# Altium PCB Wall_Following_Robot_PCB.PcbDoc (part 1 of 2) (continued)
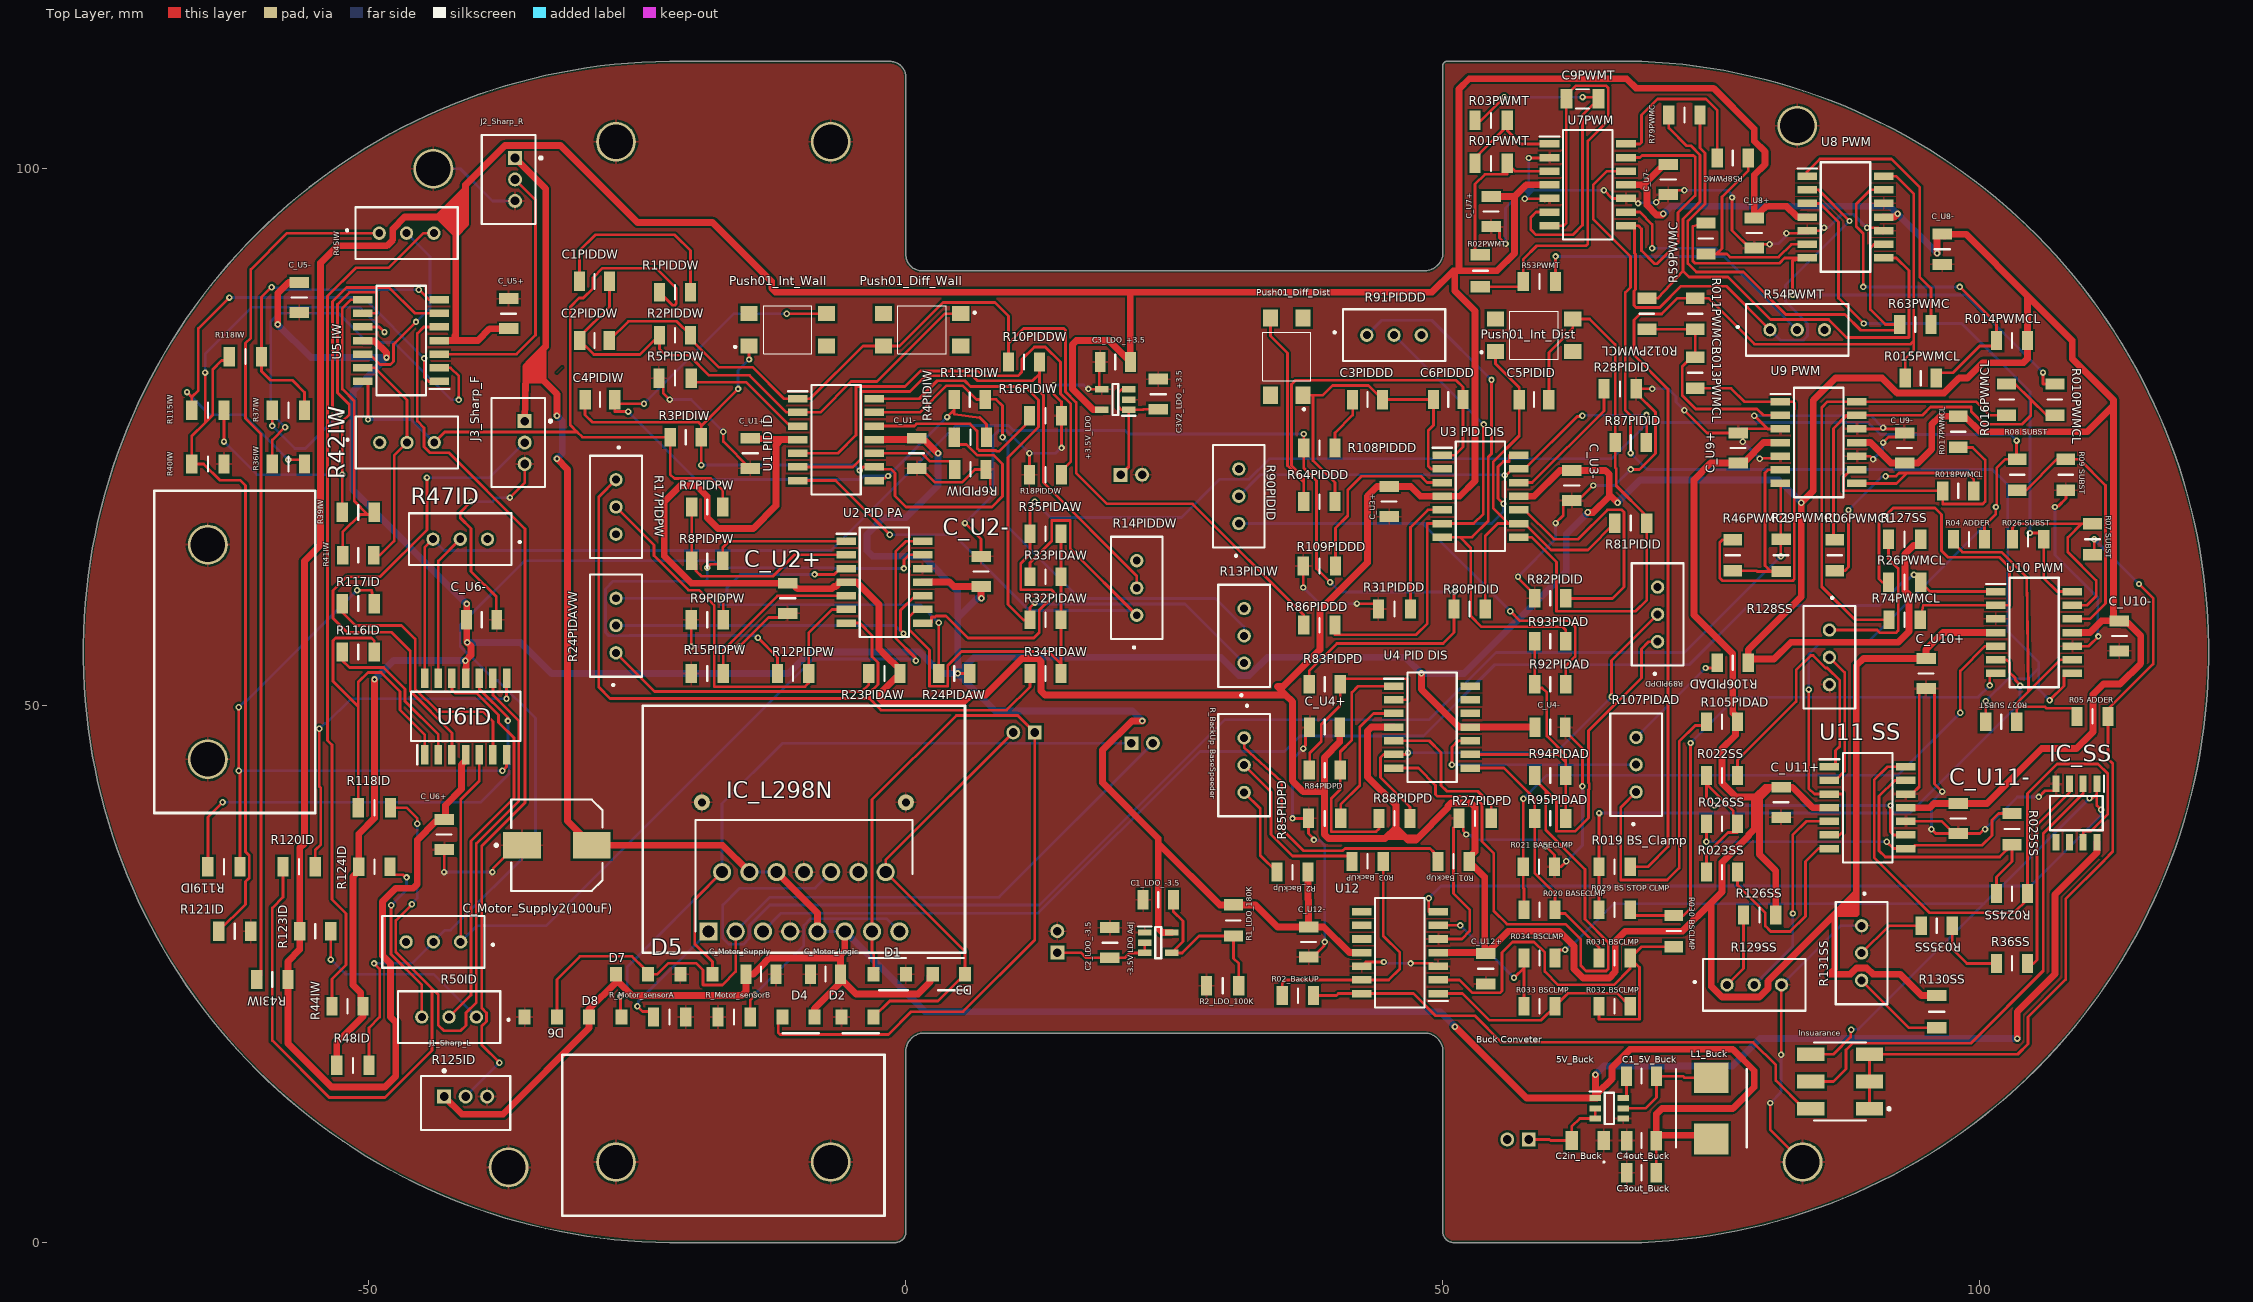
[diagram p0: Top Layer view]
## Footprints (in the part's own frame and the unit in brackets; to place one, negate y for a bottom-side part, rotate by r counter-clockwise, add the part's x,y. Pads: shape width x height; smd on the part's side, far side on the other; paste and mask are expansions set on the pad)
3296W-1 [mm]
  round 1.24 hole 0.74: 1(-2.54,0) 2(0,0) 3(2.54,0)
  silkscreen extent -5.64,-2.41 4.76,2.41, body extent -4.78,-2.48 4.78,2.35, height 11.55
AMPM-95278-101A06LF_V [mm] "SMD, 6-Leads, Body 7.26x4.83mm, Pitch 2.54mm"
  rect 1.27x2.54 smd: 1(-2.54,-2.73) 2(-2.54,2.73) 3(0,-2.73) 4(0,2.73) 5(2.54,-2.73) 6(2.54,2.73)
  silkscreen extent -3.63,-4.68 3.63,2.41, body extent -3.61,-3.64 3.61,3.64, height 9.71
C1206 [mm]
  rect 1.15x1.8 smd: 1(-1.5,0) 2(1.5,0)
  silkscreen extent -1.55,1.95 -1.45,2.05, body extent -1.7,-0.9 1.7,0.9, height 1.8
CAPC3216X94N [mil]
  rect 44x71 smd: 1(-59,0) 2(59,0)
  silkscreen extent -24,-35 24,35, body extent -63,-31 63,31, height 37
CAPC3216X95N [mm]
  rect 1.04x1.78 smd: 1(-1.37,0) 2(1.37,0)
  silkscreen extent 0,-0.7 0,0.7, body extent -1.6,-0.8 1.6,0.8, height 0.95
CAPC3216X110N [mm]
  rect 1.02x1.82 smd: 1(-1.4,0) 2(1.4,0)
  silkscreen extent 0,-0.7 0,0.7, body extent -1.7,-0.9 1.7,0.9, height 0.88
CAPC3216X140N [mm]
  rect 1.02x1.82 smd: 1(-1.4,0) 2(1.4,0)
  silkscreen extent 0,-0.7 0,0.7, body extent -1.6,-0.8 1.6,0.8, height 1.4
CAPC3216X180N [mm]
  rect 1.07x1.82 smd: 1(-1.38,0) 2(1.38,0)
  silkscreen extent 0,-0.7 0,0.7, body extent -1.6,-0.8 1.6,0.8, height 1.8
FP-440054-2-MFG [mm]
  rect 1.3x1.3 hole 0.8 paste-1000 mask+0: 1(1,-0.6)
  round 1.3 hole 0.8 paste-1000 mask+0: 2(-1,-0.6)
  silkscreen extent -3.15,-2.5 3.87,2.5, body extent -3,-2.35 3,2.35, height 6.35
FP-440054-3-MFG [mm]
  rect 1.3x1.3 hole 0.8 paste-1000 mask+0: 1(2,-0.6)
  round 1.3 hole 0.8 paste-1000 mask+0: 2(0,-0.6) 3(-2,-0.6)
  silkscreen extent -4.15,-3.12 4.15,2.5, body extent -4.25,-2.6 4.25,2.6, height 0.25
FP-UWT1H101MNL1GS-MFG [mm]
  rect 3.5x2.5 smd paste+0 mask+0: 1(-3.25,0) 2(3.25,0)
  silkscreen extent -5.77,-4.25 4.25,4.25, body extent -5.25,-4.5 5.25,4.5, height 0.25
INDPM7366X300N [mm]
  rect 2.85x3.2 smd: 1(-2.85,0) 2(2.85,0)
  silkscreen extent -3.65,-3.3 3.65,3.3, body extent -3.65,-3.3 3.65,3.3, height 3
RESC3116X65N [mm]
  rect 1.05x1.75 smd: 1(-1.45,0) 2(1.45,0)
  silkscreen extent 0,-0.68 0,0.67, body extent -1.55,-0.77 1.55,0.77, height 0.65
RESC3216X60N [mm]
  rect 1.05x1.8 smd: 1(-1.5,0) 2(1.5,0)
  silkscreen extent 0,-0.7 0,0.7, body extent -1.37,-0.89 1.83,0.71, height 0.55
SODFL3518X115N [mm]
  rect 1.12x1.37 smd: 1(-1.5,0) 2(1.5,0)
  silkscreen extent -1.91,-1.5 1.7,1.5, body extent -1.75,-0.9 1.75,0.9, height 1.15
SOIC127P600X175-8N [mm]
  rect 1.525x0.65 smd: 1(-2.712,1.905) 2(-2.712,0.635) 3(-2.712,-0.635) 4(-2.712,-1.905) 5(2.712,-1.905) 6(2.712,-0.635) 7(2.712,0.635) 8(2.712,1.905)
  silkscreen extent -3.47,-2.45 1.6,2.58, body extent -3,-2.45 3,2.45, height 1.75
SOIC127P780X200-14N [mm]
  rect 1.825x0.7 smd: 1(-3.562,3.81) 2(-3.562,2.54) 3(-3.562,1.27) 4(-3.562,0) 5(-3.562,-1.27) 6(-3.562,-2.54) 7(-3.562,-3.81) 8(3.562,-3.81) 9(3.562,-2.54) 10(3.562,-1.27) 11(3.562,0) 12(3.562,1.27) 13(3.562,2.54) 14(3.562,3.81)
  silkscreen extent -4.47,-5.1 2.3,5.1, body extent -3.9,-5.1 3.9,5.1, height 2
SOT95P280X100-6N [mm]
  rect 1.05x0.55 smd: 1(-1.3,0.95) 2(-1.3,0) 3(-1.3,-0.95) 4(1.3,-0.95) 5(1.3,0) 6(1.3,0.95)
  silkscreen extent -1.82,-1.45 0.42,1.57, body extent -1.4,-1.45 1.4,1.45, height 1
SOT95P280X145-5N [mm]
  rect 1.25x0.6 smd: 1(-1.25,0.95) 2(-1.25,0) 3(-1.25,-0.95) 4(1.25,-0.95) 5(1.25,0.95)
  silkscreen extent -1.88,-1.45 0.27,1.5, body extent -1.4,-1.45 1.4,1.45, height 1.45
TL3305BF160QG [mm]
  rect 1.6x1.4 smd: 1(-3.6,-1.5) 2(3.6,-1.5) 3(-3.6,1.5) 4(3.6,1.5)
  silkscreen extent -5,-2.25 2.25,2.25
TO127P500X2020X2210-15P [mm]
  rect 1.695x1.695 hole 1.13: 1(0,0)
  round 1.695 hole 1.13: 2(1.27,5.53) 3(2.54,0) 4(3.81,5.53) 5(5.08,0) 6(6.35,5.53) 7(7.62,0) 8(8.89,5.53) 9(10.16,0) 10(11.43,5.53) 11(12.7,0) 12(13.97,5.53) 13(15.24,0) 14(16.51,5.53) 15(17.78,0)
  silkscreen extent -1.21,0 18.99,10.38, body extent -0.91,0.22 18.69,9.31, height 21.35

## Part data
5V_Buck: "Integrated Circuit", Manufacturer_Name="Diodes Inc.", Mouser Part Number=621-AP63205WU-7, Arrow Part Number=AP63205WU-7, Arrow Price/Stock=https://www.arrow.com/en/products/ap63205wu-7/diodes-incorporated?region=europe, Datasheet Link=https://www.diodes.com/assets/Datasheets/AP63200-AP63201-AP63203-AP63205.pdf, Height=1mm, Manufacturer_Part_Number=AP63205WU-7, Mouser Price/Stock=https://www.mouser.co.uk/ProductDetail/Diodes-Incorporated/AP63205WU-7?qs=u16ybLDytRZtkj8PzdWCOw%3D%3D
+3.5V_LDO: "Integrated Circuit", Manufacturer_Name="Texas Instruments", Mouser Part Number=595-TLV70235DBVT, Arrow Part Number=TLV70235DBVT, Arrow Price/Stock=https://www.arrow.com/en/products/tlv70235dbvt/texas-instruments, Datasheet Link=http://www.ti.com/lit/gpn/TLV702, Height=1.45mm, Manufacturer_Part_Number=TLV70235DBVT, Mouser Price/Stock=https://www.mouser.co.uk/ProductDetail/Texas-Instruments/TLV70235DBVT?qs=4whTb%2F0XQMihdsYQMq6%252BQQ%3D%3D
+3.7_Connector_Battery +7.4_Connector_Battery -3.7_Connector_Battery J4_L_Motor J4_R_Motor: library part CMP-03369-000005-1, "CONN HEADER VERT 2POS 2MM", Current Rating=3A, Manufacturer="TE Connectivity", Temperature="-25°C to +85°C", Temperature Range High=+85°C, Temperature Range Low=-25°C, Voltage Rating=250V, Automotive=No, Category=Conn, ComponentLink2Description=Datasheet, ComponentLink2URL=https://www.te.com/usa-en/product-440054-2.datasheet.pdf, Conn Gender=Male, Conn Orientation=Vertical, Contact Material=Tin,Nickel, Device Class L1=Connectors, Device Class L2="Headers and Wire Housings", Device Class L3=unset, Digikey Description="CONN HEADER VERT 2POS 2MM", Footprint Url=https://www.te.com/commerce/DocumentDelivery/DDEController?Action=showdoc&DocId=Customer+Drawing%7F440054%7FF6%7Fpdf%7FEnglish%7FENG_CD_440054_F6.pdf%7F440054-2, Height=6.35mm, Lead Free=Yes, Manufacturer Part Number=440054-2, Mouser Description="Headers & Wire Housings 2.0mm HDR 2pos VERT HPI", Number Of Contacts=2, Number Of Rows=1, Octopart=https://octopart.com/440054-2-te+connectivity-40237927, Package=440054-2, Pitch=2mm, RoHS=TRUE
"-3.5V LDO Adj": "Integrated Circuit", Manufacturer_Name="Analog Devices", Mouser Part Number=700-MAX1735EUK30T, Arrow Part Number=MAX1735EUK30+T, Arrow Price/Stock=https://www.arrow.com/en/products/max1735euk30t/maxim-integrated?region=nac, Datasheet Link=http://componentsearchengine.com/Datasheets/1/MAX1735EUK30+T.pdf, Height=1.45mm, Manufacturer_Part_Number=MAX1735EUK30+T, Mouser Price/Stock=https://www.mouser.co.uk/ProductDetail/Analog-Devices-Maxim-Integrated/MAX1735EUK30%2bT?qs=Jw2w9zrI6w%252BVOLjKm24ehQ%3D%3D
C1_5V_Buck C1PIDDW C3PIDDD C_Motor_Logic C_Motor_Supply C_U1+ C_U1- C_U2+ C_U2- C_U3+ C_U3- C_U4+ C_U4- C_U5+ C_U5- C_U6+ C_U6- C_U7+ C_U7- C_U8+ C_U8- C_U9+ C_U9- C_U10+ C_U10- C_U11+ C_U11- C_U12+ C_U12-: library part C1206C104K5RAC7867, "Capacitor", Manufacturer_Name=KEMET, Mouser Part Number=80-C1206104K5RAC7867, Arrow Part Number=C1206C104K5RAC7867, Arrow Price/Stock=https://www.arrow.com/en/products/c1206c104k5rac7867/kemet-corporation, Datasheet Link=https://content.kemet.com/datasheets/KEM_C1002_X7R_SMD.pdf, Height=1.1mm, Manufacturer_Part_Number=C1206C104K5RAC7867, Mouser Price/Stock=https://www.mouser.co.uk/ProductDetail/KEMET/C1206C104K5RAC7867?qs=r%2FVmNO8Tjq5MvP%2FjoJQjcw%3D%3D, Supplier 1=Mouser, Supplier Part Number 1=80-C1206104K5RAC7867
C1_LDO_-3.5 C2_LDO_-3.5 C3_LDO_+3.5 C3V2_LDO_+3.5: library part C1206C105K4RAC, "Capacitor", Manufacturer_Name=KEMET, Mouser Part Number=80-C1206C105K4RAC, Arrow Part Number=C1206C105K4RAC, Arrow Price/Stock=https://www.arrow.com/en/products/c1206c105k4rac/kemet-corporation, Datasheet Link=https://componentsearchengine.com/Datasheets/1/C1206C105K4RAC.pdf, Height=1.4mm, Manufacturer_Part_Number=C1206C105K4RAC, Mouser Price/Stock=https://www.mouser.co.uk/ProductDetail/KEMET/C1206C105K4RAC?qs=esDHISMOsl1e4qSv4fn%2FRQ%3D%3D
C2in_Buck: library part C1206C106K4PACTU, "Capacitor", Manufacturer_Name=KEMET, Mouser Part Number=80-C1206C106K4P, Arrow Part Number=C1206C106K4PACTU, Arrow Price/Stock=https://www.arrow.com/en/products/c1206c106k4pactu/kemet-corporation?region=nac, Datasheet Link=https://content.kemet.com/datasheets/KEM_C1006_X5R_SMD.pdf, Manufacturer_Part_Number=C1206C106K4PACTU, Mouser Price/Stock=https://www.mouser.co.uk/ProductDetail/KEMET/C1206C106K4PACTU?qs=nz7vn1PXJ%2Feyzlyip0aTxw%3D%3D
C2PIDDW C6PIDDD: library part GRM3195C1H223FA01D, "Capacitor", Manufacturer_Name="Murata Electronics", Mouser Part Number=81-GRM3195C1H223FA1D, Datasheet Link=http://www.murata.com/~/media/webrenewal/support/library/catalog/products/capacitor/mlcc/c02e.pdf, Height=0.95mm, Manufacturer_Part_Number=GRM3195C1H223FA01D, Mouser Price/Stock=https://www.mouser.com/Search/Refine.aspx?Keyword=81-GRM3195C1H223FA1D
C3out_Buck C4out_Buck: library part GCM31CD70J226KE02K, "Capacitor", Manufacturer_Name="Murata Electronics", Mouser Part Number=81-GCM31CD70J226KE2K, Datasheet Link=https://search.murata.co.jp/Ceramy/image/img/A01X/G101/ENG/GCM31CD70J226KE02-02A.pdf, Height=1.8mm, Manufacturer_Part_Number=GCM31CD70J226KE02K, Mouser Price/Stock=https://www.mouser.co.uk/ProductDetail/Murata-Electronics/GCM31CD70J226KE02K?qs=ufv2HEpFn%252BRTHh%2Fhn8dSAQ%3D%3D
C4PIDIW C5PIDID: library part GRM31CR61A107MEA8L, "Capacitor", Manufacturer_Name="Murata Electronics", Mouser Part Number=81-GRM31CR61A107MA8L, Arrow Part Number=GRM31CR61A107MEA8L, Arrow Price/Stock=https://www.arrow.com/en/products/grm31cr61a107mea8l/murata-manufacturing?region=nac, Datasheet Link=http://www.murata.com/~/media/webrenewal/support/library/catalog/products/capacitor/mlcc/c02e.pdf, Height=1.8mm, Manufacturer_Part_Number=GRM31CR61A107MEA8L, Mouser Price/Stock=https://www.mouser.co.uk/ProductDetail/Murata-Electronics/GRM31CR61A107MEA8L?qs=hd1VzrDQEGidurXiDTJOCg%3D%3D
C9PWMT: library part 12061C303JAT2A, "Capacitor", Manufacturer_Name=AVX, Mouser Part Number=581-12061C303JAT2A, Manufacturer_Part_Number=12061C303JAT2A, Mouser Price/Stock=https://www.mouser.co.uk/ProductDetail/AVX/12061C303JAT2A?qs=DFzMtgyOV7fE5zSlsoT6Tg%3D%3D
C_Motor_Supply2(100uF): library part CMP-2000-07373-2, "CAP ALUM 100UF 20% 50V SMD", Capacitance=100uF, Case/Package=Radial, Dielectric Material=Aluminium, Leakage Current=3uA, Max Operating Temperature=105°C, Min Operating Temperature=-55°C, Package Quantity=500, Ripple Current=140mA, Tolerance=20%, Voltage=50V, Construction=Cylindrical, Diameter=8mm, Dissipation Factor=0.14%, Height=10mm, Height - Seated (Max)=0.413inch, Lead Free="Lead Free", Length=10mm, Life (Hours)=1000Hour, Mount="Surface Mount", Number of Pins=2, Packaging="Tape and Reel", Radiation Hardening=No, REACH SVHC="No SVHC", Ripple Current (AC)=140mA, RoHS Compliant=Yes, Series=WT, Termination=SMD/SMT, Voltage Rating=50V, Voltage Rating (DC)=50V
D1 D2 D3 D4 D5 D6 D7 D8: library part 1N5819HW1-7-F, "Schottky Diode", Manufacturer_Name="Diodes Inc.", Mouser Part Number=621-1N5819HW1-7-F, Arrow Part Number=1N5819HW1-7-F, Arrow Price/Stock=https://www.arrow.com/en/products/1n5819hw1-7-f/diodes-incorporated?region=nac, Datasheet Link=https://www.diodes.com/assets/Datasheets/1N5819HW1.pdf, Height=1.15mm, Manufacturer_Part_Number=1N5819HW1-7-F, Mouser Price/Stock=https://www.mouser.co.uk/ProductDetail/Diodes-Incorporated/1N5819HW1-7-F?qs=60RJRzIpcl9ACQG7Zn63jQ%3D%3D
IC_L298N: "Integrated Circuit", Manufacturer_Name=STMicroelectronics, Mouser Part Number=511-L298, Arrow Part Number=L298N, Arrow Price/Stock=https://www.arrow.com/en/products/l298n/stmicroelectronics?region=europe, Datasheet Link=http://www.st.com/web/en/resource/technical/document/datasheet/CD00000240.pdf, Height=5mm, Manufacturer_Part_Number=L298N, Mouser Price/Stock=https://www.mouser.co.uk/ProductDetail/STMicroelectronics/L298N?qs=gr8Zi5OG3Mj6jDtNclcF9Q%3D%3D
IC_SS: "Integrated Circuit", Manufacturer_Name="Analog Devices", Mouser Part Number=700-MAX4544ESA, Arrow Part Number=MAX4544ESA+, Arrow Price/Stock=https://www.arrow.com/en/products/max4544esa/maxim-integrated?region=nac, Datasheet Link=https://pdfserv.maximintegrated.com/en/ds/MAX4541-MAX4544.pdf, Height=1.75mm, Manufacturer_Part_Number=MAX4544ESA+, Mouser Price/Stock=https://www.mouser.co.uk/ProductDetail/Analog-Devices-Maxim-Integrated/MAX4544ESA%2b?qs=1THa7WoU59G%252Brc3WzwgUFA%3D%3D
Insuarance: library part CMP-002-00024-2, "Male Header, Pitch 2.54 mm, 2 x 3 Position, Height 14.4 mm, RoHS, Tape and Reel", Manufacturer=Amphenol, Package Description="Male Header, Pitch 2.54 mm, 2 x 3 Position, Height 14.4 mm", Case/Package=95278-101A06LF, Connector Type=Header, Datasheet URL=http://portal.fciconnect.com/Comergent//fci/drawing/95278.pdf, Datasheet Version="Rev. AC, 03/2016", Gender=Male, Mounting Technology=SM, Package Reference=95278-101A06LF, RoHS Compliant=Unknown
J1_Sharp_L J2_Sharp_R J3_Sharp_F: library part CMP-03369-000008-1, "CONN HEADER VERT 3POS 2MM", Current Rating=3A, Manufacturer="TE Connectivity", Package=0, Temperature="-25°C to +105°C", Temperature Range High=+105°C, Temperature Range Low=-25°C, Voltage Rating=250V, Automotive=No, Category=Conn, ComponentLink2Description=Datasheet, ComponentLink2URL=https://www.te.com/usa-en/product-440054-3.datasheet.pdf, Conn Gender=Male, Conn Orientation=Vertical, Contact Material=Tin,Nickel, Device Class L1=Connectors, Device Class L2="Headers and Wire Housings", Device Class L3=unset, Digikey Description="CONN HEADER VERT 3POS 2MM", Footprint Url=https://www.te.com/commerce/DocumentDelivery/DDEController?Action=showdoc&DocId=Customer+Drawing%7F440054%7FF6%7Fpdf%7FEnglish%7FENG_CD_440054_F6.pdf%7F440054-3, Height=6.35mm, Lead Free=Yes, Manufacturer Part Number=440054-3, Mouser Description="Headers & Wire Housings 3 POS HDR VERT 2.0mm", Number Of Contacts=3, Number Of Rows=1, Octopart=https://octopart.com/440054-3-te+connectivity-40394845, Pitch=2mm, RoHS=TRUE
L1_Buck: "Inductor", Manufacturer_Name=Bourns, Mouser Part Number=652-SRP7028CC-4R7M, Datasheet Link=https://www.bourns.com/docs/Product-Datasheets/SRP7028CC.pdf, Height=3mm, Manufacturer_Part_Number=SRP7028CC-4R7M, Mouser Price/Stock=https://www.mouser.co.uk/ProductDetail/Bourns/SRP7028CC-4R7M?qs=1Kr7Jg1SGW%252BnpjZpZxrorQ%3D%3D
Push01_Diff_Dist Push01_Diff_Wall Push01_Int_Dist Push01_Int_Wall: "Switch", Manufacturer_Name=E-Switch, Mouser Part Number=612-TL3305BF160QG, Datasheet Link=http://spec_sheets.e-switch.com/specs/P010469.pdf, Height=5.25mm, Manufacturer_Part_Number=TL3305BF160QG, Mouser Price/Stock=https://www.mouser.co.uk/ProductDetail/E-Switch/TL3305BF160QG?qs=UrFqKgNWc7SMzrRgAbHJ9w%3D%3D
R01_BackUp R2_BackUp R23PIDAW R24PIDAW R43IW R44IW R105PIDAD R106PIDAD R123ID R124ID: library part CR1206AFX-2003EAS, "Resistor", Manufacturer_Name=Bourns, Mouser Part Number=652-CR1206AFX2003EAS, Datasheet Link=https://componentsearchengine.com/Datasheets/2/CR1206AFX-2003EAS.pdf, Height=0.65mm, Manufacturer_Part_Number=CR1206AFX-2003EAS, Mouser Price/Stock=https://www.mouser.co.uk/ProductDetail/Bourns/CR1206AFX-2003EAS?qs=PzGy0jfpSMsbNqkCSMTFTg%3D%3D
R1_LDO_180K: "Resistor", Manufacturer_Name=YAGEO, Datasheet Link=https://eu.mouser.com/datasheet/2/447/PYu_RT_1_to_0_01_RoHS_L_12-3003070.pdf, Height=0.65mm, Manufacturer_Part_Number=RT1206FRE07180KL
R1PIDDW R02_BackUP R2PIDDW R03_BackUP R3PIDIW "R04 ADDER" "R05 ADDER" R6PIDIW R06PWMCL "R07 SUBST" R7PIDPW "R08 SUBST" R8PIDPW "R09 SUBST" R10PIDDW R010PWMCL R11PIDIW R011PWMCL R12PIDPW R012PWMCL R013PWMCL R014PWMCL R015PWMCL R016PWMCL R017PWMCL R018PWMCL "R019 BS_Clamp" "R020 BASECLMP" "R021 BASECLMP" R022SS R023SS R024SS R025SS "R026 SUBST" R026SS "R027 SUBST" "R029 BS STOP CLMP" "R030 BSCLMP" "R031 BSCLMP" "R032 BSCLMP" R32PIDAW "R033 BSCLMP" R33PIDAW "R034 BSCLMP" R34PIDAW R35PIDAW R035SS R36SS R41IW R46PWMCL R58PWMC R59PWMC R63PWMC R64PIDDD R74PWMCL R79PWMC R80PIDID R82PIDID R83PIDPD R84PIDPD R86PIDDD R87PIDID R88PIDPD R92PIDAD R93PIDAD R94PIDAD R95PIDAD R108PIDDD: library part CRG1206F47K, "Resistor", Manufacturer_Name="TE Connectivity", Mouser Part Number=279-CRG1206F47K, Arrow Part Number=CRG1206F47K, Arrow Price/Stock=https://www.arrow.com/en/products/crg1206f47k/te-connectivity, Datasheet Link=http://www.te.com/commerce/DocumentDelivery/DDEController?Action=showdoc&DocId=Data+Sheet%7F1773204%7FI%7Fpdf%7FEnglish%7FENG_DS_1773204_I.pdf%7F1623404-1, Height=0.65mm, Manufacturer_Part_Number=CRG1206F47K, Mouser Price/Stock=https://www.mouser.co.uk/ProductDetail/TE-Connectivity-Holsworthy/CRG1206F47K?qs=DfH2yQaBz6t2K5BB4WPRgg%3D%3D
R01PWMT R2_LDO_100K R02PWMT R26PWMCL R29PWMCL R48ID R126SS R127SS R130SS: library part CRCW1206100KFKTA, "Resistor", Manufacturer_Name=Vishay, Mouser Part Number=71-CRCW1206-100K, Arrow Part Number=CRCW1206100KFKTA, Arrow Price/Stock=https://www.arrow.com/en/products/crcw1206100kfkta/vishay, Height=0.6mm, Manufacturer_Part_Number=CRCW1206100KFKTA, Mouser Price/Stock=https://www.mouser.co.uk/ProductDetail/Vishay-Dale/CRCW1206100KFKTA?qs=xED1WXS7kRSniHtt1iegfA%3D%3D
R03PWMT R5PIDDW R109PIDDD R_Motor_sensorA R_Motor_sensorB: library part RCA12061K00FKEA, "Resistor", Manufacturer_Name=Vishay, Mouser Part Number=71-RCA12061K00FKEA, Arrow Part Number=RCA12061K00FKEA, Arrow Price/Stock=https://www.arrow.com/en/products/rca12061k00fkea/vishay, Datasheet Link=https://ms.componentsearchengine.com/Datasheets/2/RCA12061K00FKEA.pdf, Height=0.6mm, Manufacturer_Part_Number=RCA12061K00FKEA, Mouser Price/Stock=https://www.mouser.co.uk/ProductDetail/Vishay-Draloric/RCA12061K00FKEA?qs=4%252Ber4tcBTOjJN1hA481lyw%3D%3D
R4PIDIW R81PIDID: library part CRCW12062M00FKEB, "Resistor", Manufacturer_Name=Vishay, Mouser Part Number=71-CRCW12062M00FKEB, Height=0.6mm, Manufacturer_Part_Number=CRCW12062M00FKEB, Mouser Price/Stock=https://www.mouser.co.uk/ProductDetail/Vishay-Dale/CRCW12062M00FKEB?qs=v%252BxIQaJyuQpJ5jQs9a8ZaQ%3D%3D
R9PIDPW R15PIDPW R16PIDIW R18PIDDW R27PIDPD R28PIDID R31PIDDD R36IW R37IW R39IW R40IW R53PWMT R85PIDPD R115IW R116ID R117ID R118ID R118IW R119ID R120ID R121ID: library part CRCW120622K0FKEAC, "Resistor", Manufacturer_Name=Vishay, Mouser Part Number=71-CRCW120622K0FKEAC, Arrow Part Number=CRCW120622K0FKEAC, Arrow Price/Stock=https://www.arrow.com/en/products/crcw120622k0fkeac/vishay, Datasheet Link=http://componentsearchengine.com/Datasheets/1/CRCW120622K0FKEAC.pdf, Height=0.6mm, Manufacturer_Part_Number=CRCW120622K0FKEAC, Mouser Price/Stock=https://www.mouser.co.uk/ProductDetail/Vishay-Dale/CRCW120622K0FKEAC?qs=E3Y5ESvWgWNw2wh8DoOOYQ%3D%3D
R13PIDIW R14PIDDW R17PIDPW R24PIDAVW R42IW R45IW R47ID R50ID R54PWMT R89PIDPD R90PIDID R91PIDDD R107PIDAD R125ID R128SS R129SS R131SS R_BackUp_BaseSpeeder: library part 3296W-1-103LF, "Variable Resistor", Manufacturer_Name=Bourns, Mouser Part Number=652-3296W-1-103LF, Arrow Part Number=3296W-1-103LF, Arrow Price/Stock=https://www.arrow.com/en/products/3296w-1-103lf/bourns?region=nac, Datasheet Link=https://www.bourns.com/pdfs/3296.pdf, Manufacturer_Part_Number=3296W-1-103LF, Mouser Price/Stock=https://www.mouser.co.uk/ProductDetail/Bourns/3296W-1-103LF?qs=CL3xLxiry19Id6AEaxYcng%3D%3D
"U1 PID ID" "U2 PID PA" "U3 PID DIS" "U4 PID DIS" "U5 IW" U6ID U7PWM "U8 PWM" "U9 PWM" "U10 PWM" "U11 SS" U12: "Integrated Circuit", Manufacturer_Name="Texas Instruments", Mouser Part Number=595-TL084CNSR, Arrow Part Number=TL084CNSR, Arrow Price/Stock=https://www.arrow.com/en/products/tl084cnsr/texas-instruments?region=nac, Datasheet Link=http://www.ti.com/lit/gpn/tl084, Height=2mm, Manufacturer_Part_Number=TL084CNSR, Mouser Price/Stock=https://www.mouser.co.uk/ProductDetail/Texas-Instruments/TL084CNSR?qs=AMJt07B76utXhWPN6gQoYQ%3D%3D, Supplier 1=Mouser, Supplier Part Number 1=595-TL084CNSR

## Free pads (board coordinates)
  round 3.7 hole 3.2: 2(-44,100) 3(-37,7) 4(83.5,7.5) 5(83,104) 6(-27,7.5) 8(-7,7.5) 9(-27,102.5) 10(-7,102.5) 11(-65,45) 12(-65,65)
  round 1.5 hole 0.75: 13(0,41) 14(-19,41)

## Via types
v1: diameter 0.6, hole 0.3, Top Layer to Bottom Layer, 191 vias

## Nets (pads, with @x,y where several pads share a name; then routed paths per layer and width w, separated by ;. In a path a pad name is that pad's centre, name@x,y a point inside that pad or via, vN(x,y) a via of type N, cw(c..) or ccw(c..) an arc to the next point about the centre after c; other vN are vias at no path point)
5V: 5V_Buck.1 C3out_Buck.2 C4out_Buck.2 C_Motor_Logic.2 C_Motor_Supply2(100uF).2 C_Motor_Supply.2 D3.1 D4.1 D7.1 D8.1 IC_L298N.4 IC_L298N.6 IC_L298N.9 IC_L298N.11 IC_SS.8 J1_Sharp_L.1 J2_Sharp_R.1 J3_Sharp_F.1 L1_Buck.1 | length 349.8
  Top Layer w0.254: C3out_Buck.2@69.88,6.5 C4out_Buck.2@69.88,9.5 ; 110.905,36.095 110.959,36.095
  Top Layer w0.635: J1_Sharp_L.1@-43,13.6 -41.352,11.952 -37.519,11.952 -29.5,19.971 D8.1@-29.5,21 -29.5,21.731 -27,24.231 ; J2_Sharp_R.1@-36.4,101 -33.543,98.143 -33.543,83.457 -35.205,81.795 ; J3_Sharp_F.1@-35.5,76.5 -35.446,78.499 -35.363,81.575 ; -35.361,81.639 -35.139,81.639 -32.5,79 v1(-32.5,77) ; v1(-32.5,73) -31.5,72 -31.5,39.25 -29.25,37 -17.08,37 IC_L298N.4@-14.58,34.5 ; D7.1@-27,25 -27,24.5 -25.5,23 -15.272,23 -14.9,23.372 C_Motor_Supply.2@-14.9,24.982 ; C_Motor_Supply.2@-14.9,25 C_Motor_Supply.2@-14.9,24.982 ; IC_L298N.6@-12.04,34.5 -8.23,30.69 IC_L298N.9@-8.23,28.97 ; D4.1@-8.5,21 -8.5,21.781 -5.891,24.391 -4.648,23.148 1.148,23.148 2.258,24.258 2.258,24.757 D3.1@2.5,25 ; C_Motor_Logic.2@-6.1,24.6 C_Motor_Logic.2@-6.1,25 -6.1,26.76 -5.69,27.17 IC_L298N.11@-5.69,28.97 ; -6.1,26.5 -12.756,26.5 -13.131,26.126 -13.131,26.078 -14.227,24.982 C_Motor_Supply.2@-14.9,24.982 ; v1(51.127,20.105) 57.782,13.45 5V_Buck.1@64.2,13.45 ; v1(64.208,15.635) 64.208,13.45 5V_Buck.1@64.2,13.45 ; L1_Buck.1@75,9.65 74.65,10 70.097,10 69.88,9.783 C4out_Buck.2@69.88,9.5 69.88,11.982 70.398,12.5 77,12.5 79,14.5 79,16 77,18 67.444,18 65.754,16.311 65.754,15.254 64.407,13.907 64.407,13.492 64.365,13.45 5V_Buck.1@64.2,13.45 ; v1(103.5,19) 103.5,21.5 107,25 107,32.416 110.905,36.321 IC_SS.8@110.905,37.288
  Bottom Layer w0.254: IC_L298N.4@-14.58,34.5 IC_L298N.6@-12.04,34.5 ; IC_L298N.9@-8.23,28.97 IC_L298N.11@-5.69,28.97
  Bottom Layer w0.635: v1(-32.5,73) -32,73.5 -32,76.5 v1(-32.5,77) ; IC_L298N.11@-5.69,28.97 1.78,21.5 49.732,21.5 v1(51.127,20.105) ; v1(64.208,15.635) 65.008,16.435 76.962,16.435 79.528,19 v1(103.5,19)
+3.7_Connector: +3.5V_LDO.1 +3.5V_LDO.3 +3.7_Connector_Battery.1 C3V2_LDO_+3.5.1 | length 12.6
  Top Layer w0.254: +3.7_Connector_Battery.1@20,71.5 20.75,72.25 +3.5V_LDO.1@20.75,77.55 ; +3.5V_LDO.3@20.75,79.45 20.073,79.45 19.783,79.16 19.783,77.855 20.088,77.55 +3.5V_LDO.1@20.75,77.55 ; C3V2_LDO_+3.5.1@23.5,77.6 22.145,77.6 22.095,77.55 +3.5V_LDO.1@20.75,77.55
+7.4_Connector: 5V_Buck.2 5V_Buck.3 +7.4_Connector_Battery.1 C2in_Buck.2 | length 8.8
  Top Layer w0.254: +7.4_Connector_Battery.1@58,9.6 59.941,9.6 60.041,9.5 C2in_Buck.2@62,9.5 62,10.79 62.76,11.55 5V_Buck.3@64.2,11.55 5V_Buck.2@64.2,12.5
+VSS: "U1 PID ID.4" "U2 PID PA.4" "U3 PID DIS.4" "U4 PID DIS.4" "U5 IW.4" "U8 PWM.4" "U9 PWM.4" "U10 PWM.4" "U11 SS.4" +3.5V_LDO.5 C3_LDO_+3.5.2 C_U1+.2 C_U2+.2 C_U3+.2 C_U4+.2 C_U5+.2 C_U6+.2 C_U7+.2 C_U8+.2 C_U9+.2 C_U10+.2 C_U11+.2 C_U12+.2 R01_BackUp.1 R23PIDAW.1 R43IW.1 R105PIDAD.1 R123ID.1 R126SS.1 R130SS.1 U6ID.4 U7PWM.4 U12.4 | length 775
  Top Layer w0.635: -43.438,84 -42.396,84 -42,84 ; -42,84.483 -42,84 ; -41.913,84.483 -41.913,93.943 ; U6ID.4@-41,45.438 -41,44.875 -41.376,44.5 -41.376,42.234 -42.885,40.725 -42.885,39.515 -43.193,39.208 -43.792,39.208 -45.5,37.5 -45.5,33.372 -45.872,33 -47.5,33 -48.74,31.76 -48.74,26.716 -48,25.975 -48,21 -47.5,20.5 -47.5,15.5 -48.5,14.5 -53.5,14.5 -57.55,18.55 R43IW.1@-57.55,24.5 -57.55,26.176 -56.45,27.276 R123ID.1@-56.45,29 -56.45,36.734 -56,37.184 -56,63.46 -54.5,64.96 -54.5,91.237 -52.912,92.825 -48.34,92.825 -47.781,93.384 -47.781,94.4 -46.681,95.5 -43.471,95.5 -41.913,93.943 ; C_U5+.2@-37,85.1 -38.756,85.1 -39.856,84 -42,84 ; C_U1+.2@-14.5,74.9 -12.219,74.771 -11.611,74.771 ; C_U2+.2@-11,61.4 -19.988,61.4 -22.5,63.912 -22.5,69 -21,70.5 -19.5,70.5 -18.5,69.5 -18.5,67.5 -17.5,66.5 -14.213,66.5 -12.094,68.619 -12.094,74.288 -11.611,74.771 ; C_U2+.2@-10.6,61.4 -10.078,60.878 -6.913,60.878 -6.69,61.101 -6.524,61.101 -6.124,61.5 -4.594,61.5 -2.5,59.406 -2.5,55.3 -1.973,54.773 -0.55,53.35 R23PIDAW.1@-0.55,53 -2.422,51.128 -2.422,50.602 -2.05,50.23 5.28,50.23 6.05,51 7.414,51 10.809,54.396 12.291,54.396 12.596,54.091 12.596,51.372 12.968,51 35.37,51 ; -10.062,74.771 -11.611,74.771 ; +3.5V_LDO.5@18.25,77.55 17.45,77.55 15.5,79.5 15.5,83.628 15.872,84 18.9,84 C3_LDO_+3.5.2@20.9,82 20.9,88.304 20.704,88.5 ; 38.973,37.998 39.352,37.618 44.618,37.618 45.631,38.631 ; 38.973,37.999 38.973,42 ; C_U4+.2@40.4,48 40.4,46.597 38.973,45.17 38.973,42 ; 45.438,48 43.372,48 43,47.628 43,43.37 45.631,40.739 45.631,38.631 ; U12.4@49.562,27 53.9,27 53.9,34.05 R01_BackUp.1@52.45,35.5 52.45,35.85 52.997,36.397 52.997,40.549 52.625,40.921 50.759,40.921 50.454,40.616 50.454,40.454 47.5,37.5 46.762,37.5 45.631,38.631 ; C_U12+.2@54.05,26.95 56.1,29 60.812,29 62.204,27.608 62.204,25.487 63.043,24.648 63.619,24.648 ; C_U7+.2@54.5,97.4 56.664,97.4 ; U7PWM.4@59.938,98.5 57.764,98.5 56.664,97.4 ; 63.62,24.647 65.5,24.647 66,25.147 66,25.167 66.053,25.22 66.053,28.053 67,29 72.341,29 75.003,31.662 ; 79.016,41.384 79.016,38.516 78.496,37.996 78.496,37.909 76,35.414 76,32.659 75.003,31.662 ; R126SS.1@81,30.5 81,34.631 79.5,36.131 79.5,41.392 80.508,42.4 ; 81.438,74.5 79.875,74.5 78.167,72.792 77.692,72.792 C_U9+.2@77.5,72.6 74.945,72.6 73.377,71.032 73.377,58.434 77,54.811 77,49.3 77.45,48.85 R105PIDAD.1@77.45,48.5 77.242,48.293 77.242,47.242 76,46 76,42.814 77.314,41.5 79.132,41.5 80.032,42.4 80.508,42.4 ; 83.938,95.5 83.906,95.533 82.967,95.533 82,96.5 80.1,96.5 79.593,95.992 79.593,95.592 79.4,95.4 C_U8+.2@79,95.4 79,99.414 80,100.414 80,101.586 79,102.586 79,103.685 75.185,107.5 68,107.5 67.12,108.38 52.46,108.38 51.5,107.42 51.5,90.5 ; 86,40.5 84.447,40.5 82.547,42.4 C_U11+.2@81.5,42.4 80.508,42.4 ; C_U10+.2@95,54.4 C_U10+.2@94.993,54.4 ; R130SS.1@96,23 94.561,23 92.567,24.994 90.039,24.994 89.472,25.561 88.527,25.561 87.961,24.994 86.006,24.994 86,25 86.5,25.5 86.5,30.573 86.54,30.613 ; 101.5,56.81 96.567,56.81 94.993,55.235 C_U10+.2@94.993,54.4 ; -41.913,93.943 -41,94.856 -41,98.5 -37.329,102.171 -35.534,102.171 -32.171,102.171 -25,95 -18,95 -12.5,89.5 -12.5,88.872 -12.128,88.5 20.704,88.5 ; 20.704,88.5 49,88.5 51,90.5 51.105,90.5 ; 35.37,51 36,50.37 36,43 37,42 38.973,42 ; 35.37,51 34.591,51.779 35.125,51.779 38.554,55.208 38.554,58.891 42.973,63.31 42.973,69.508 43.865,70.4 C_U3+.2@45,70.4 47.012,70.4 47.912,69.5 49.938,69.5 51.576,69.5 53,70.924 53,86.761 51.105,88.656 51.105,90.5 ; 51.105,90.5 51.5,90.5 ; 51.5,90.5 55.05,90.5 56.664,92.114 56.664,97.4 ; 75.003,31.662 75.003,23.844 75.988,22.859 79.472,22.859 80.27,23.657 80.27,24.343 86.54,30.613 ; 86.54,30.613 88.5,30.613 88.5,53.724 89.176,54.4 C_U10+.2@94.993,54.4
-3.7_Connector: "-3.5V LDO Adj.2" "-3.5V LDO Adj.3" -3.7_Connector_Battery.1 C2_LDO_-3.5.2 | length 9.5
  Top Layer w0.254: -3.7_Connector_Battery.1@14.1,27 16.303,27 16.779,26.525 C2_LDO_-3.5.2@19,26.525 20.393,26.525 20.843,26.975 22.25,26.975 22.25,27.925
-VSS: "-3.5V LDO Adj.5" "U1 PID ID.11" "U2 PID PA.11" "U3 PID DIS.11" "U4 PID DIS.11" "U5 IW.11" "U8 PWM.11" "U9 PWM.11" "U10 PWM.11" "U11 SS.11" C_U1-.2 C_U2-.2 C_U3-.2 C_U4-.2 C_U5-.2 C_U6-.2 C_U7-.2 C_U8-.2 C_U9-.2 C_U10-.2 C_U11-.2 C_U12-.2 R1_LDO_180K.2 R2_BackUp.2 R014PWMCL.1 R017PWMCL.1 R24PIDAW.2 R44IW.2 R48ID.1 R106PIDAD.2 R124ID.2 R127SS.2 U6ID.11 U7PWM.11 U12.11 | length 622.5
  Top Layer w0.254: v1@-40.9,59.472 v1(-40.897,59.475) ; v1(4.823,52.998) 5.95,52.998 R24PIDAW.2@5.95,53
  Top Layer w0.635: v1(-58.5,85.5) -58.5,88.376 -57.476,89.4 C_U5-.2@-56.5,89.4 ; R48ID.1@-53,16.5 -53,18.611 -50.55,21.061 R44IW.2@-50.55,22 -50.758,22.207 -50.758,23.258 -51.5,24 -51.5,34.1 -50.95,34.65 -50.95,38.05 -49.483,39.517 v1(-49.483,52.439) ; -50.562,84 -50.529,83.968 -49.468,83.968 -48.365,82.865 v1(-48.365,82.411) ; v1(-41.018,54.179) -40.5,54.697 -40.5,55.541 -40.9,55.941 C_U6-.2@-40.9,58 v1@-40.9,59.472 ; U6ID.11@-41,52.562 v1@-40.948,53.998 ; -2.938,74.771 0.871,74.771 C_U1-.2@1,74.9 1.193,74.708 1.792,74.708 v1(3,73.5) ; 1.562,61.5 4.061,61.5 4.461,61.1 C_U2-.2@7,61.1 7,60.041 v1(7.032,60.008) ; v1(22.018,48.578) 21.042,48.578 18.321,45.858 18.321,42.827 23.5,37.648 23.5,37 ; 24.75,28.875 23.872,28.875 23.5,29.247 23.5,37 ; R2_BackUp.2@37.45,34.5 37.45,31.966 37.5,31.916 C_U12-.2@37.5,29.4 ; U12.11@42.438,27 41.311,27 38.911,29.4 C_U12-.2@37.5,29.4 ; v1(48.003,52.998) 48.003,51.525 51.527,48 52.562,48 C_U4-.2@58.6,48 ; 57.062,69.5 58.493,69.5 60.893,71.9 C_U3-.2@62,71.9 65.128,71.9 65.5,71.528 65.5,69.5 ; v1(63.5,68) 64,68 65.5,69.5 ; v1(66.27,68.898) 65.668,69.5 65.5,69.5 ; U7PWM.11@67.062,98.5 68.5,98.5 69,98 69,96.605 69.907,95.698 70.433,95.698 v1(70.532,95.797) ; 68.7,98.5 70.7,100.5 C_U7-.2@71,100.5 ; R106PIDAD.2@78.45,54 R106PIDAD.2@78.45,54.344 ; 88.562,74.5 89.816,74.5 91.716,72.6 C_U9-.2@93,72.6 94.256,72.6 95.526,73.87 95.526,76.188 96.288,76.95 R017PWMCL.1@98,76.95 98.6,76.95 100.05,75.5 110,75.5 112.468,77.968 ; 91.062,95.5 92.054,95.5 v1(92.351,95.797) ; 93.124,40.5 95.348,40.5 95.748,40.9 C_U11-.2@98,40.9 100.675,40.9 105.775,46 109,46 110.355,47.355 ; R127SS.2@94.5,65.5 94.5,65.125 94.292,64.917 93.841,64.917 93.053,64.13 93.053,60.693 93.404,60.341 93.404,56.904 92.399,55.899 82.399,55.899 80.844,54.344 R106PIDAD.2@78.45,54.344 ; v1(96.03,92.131) 96.03,93.708 96.222,93.9 C_U8-.2@96.5,93.9 ; C_U8-.2@96.7,93.708 96.893,93.9 98.718,93.9 104.45,88.168 ; 108.624,56.81 110.258,56.81 111.348,57.9 C_U10-.2@112.66,57.9 ; 110.5,47.5 110.559,47.559 110.559,51.059 111.517,52.017 113.074,52.017 115,53.944 115,56.5 113.793,57.707 113.194,57.707 C_U10-.2@113,57.9 ; C_U10-.2@113,57.9 C_U10-.2@112.66,57.9 ; 23.5,37 23.682,37 29.232,31.45 R1_LDO_180K.2@30.5,31.45 32.55,31.45 34.6,29.4 C_U12-.2@37.5,29.4 ; R106PIDAD.2@78.45,54.344 78.45,55.208 83.385,60.143 v1(83.385,68.898) 84.5,70.014 84.5,78.446 86.554,80.5 90.914,80.5 92.309,79.104 96.691,79.104 98.086,80.5 98.847,80.5 100.284,81.937 104.078,81.937 104.45,82.309 104.45,88.168 ; 104.45,88.168 108.607,84.011 108.607,82.335 111.995,78.947 112.468,78.474 112.468,77.968 ; 112.468,77.968 112.468,58.092 C_U10-.2@112.66,57.9
  Bottom Layer w0.635: v1(-58.5,85.5) -55.411,82.411 v1(-48.365,82.411) -51.5,79.276 -51.5,70.078 v1(-40.897,59.475) ; v1(-49.483,52.439) -47.73,54.192 -41.03,54.192 v1(-41.018,54.179) ; v1(-40.852,55.894) -35.894,55.894 -32.998,52.998 -10.918,52.998 -8.916,55 1.276,55 3.278,52.998 v1(4.823,52.998) ; v1(3,73.5) 3,70.5 0,67.5 -2.088,67.5 -3.636,65.952 -3.636,64.428 -3.128,63.92 1.58,63.92 4.823,60.677 4.823,58.18 ; v1(7.032,60.008) 6.651,60.008 4.823,58.18 ; v1(22.018,48.578) 21.097,49.5 8.321,49.5 v1(4.823,52.998) ; v1(63.5,68) 61.5,66 61.5,62.508 51.99,52.998 v1(48.003,52.998) 46.501,54.5 33.653,54.5 31.973,52.819 31.028,52.819 29.347,54.5 6.325,54.5 v1(4.823,52.998) ; v1(66.27,68.898) 68.371,71 81.283,71 v1(83.385,68.898) ; v1(70.532,95.797) 71.235,96.5 91.648,96.5 96.017,92.131 v1(96.03,92.131) ; v1(4.823,52.998) 4.823,58.18
"BASE + PID": "R027 SUBST.2" "U10 PWM.8" U7PWM.12 | length 100.3
  Top Layer w0.254: U7PWM.12@67.062,99.77 65.27,99.77 64,98.5 64,95.319 67.484,91.835 67.484,88.948 67,88.464 67,77.5 67.484,77.016 v1(67.484,73.521) ; 100.55,48.5 v1(100.55,50.427) ; v1(106.5,50.5) 107.839,51.839 107.839,52.777 108.062,53 108.624,53
  Bottom Layer w0.254: v1(67.484,73.521) 69.006,72 101.162,72 102.613,70.549 102.613,56.887 105.5,54 105.5,53.5 ; v1(100.55,50.427) 102.623,52.5 104.5,52.5 105.5,53.5 ; v1(106.5,50.5) 105.5,51.5 105.5,53.5
"BASE - PID": "R026 SUBST.2" "U8 PWM.3" "U10 PWM.14" | length 54
  Top Layer w0.254: 83.938,96.77 85.112,96.77 86.84,95.042 86.84,87.948 v1(89.201,85.586) ; v1(104.67,66.079) 105.95,66.079 105.95,65.5 105.95,61.888 107.218,60.62 108.624,60.62
  Bottom Layer w0.254: v1(89.201,85.586) 98.32,85.586 104.67,79.236 v1(104.67,66.079)
"BASE SPEED": "R05 ADDER.1" "R07 SUBST.1" Insuarance.1 Insuarance.3 Insuarance.5 | length 76.3
  Top Layer w0.254: Insuarance.1@89.73,12.46 Insuarance.3@89.73,15 Insuarance.5@89.73,17.54 103.54,17.54 104.5,18.5 104.5,21 108,24.5 108,32 111.56,35.56 111.56,35.575 112.387,36.401 112.387,44.593 111.95,45.03 111.95,49 111.95,49.686 116.148,53.884 116.148,60.011 v1(114.83,61.329) ; 110.5,64.05 110.664,64.05 v1(110.664,65.495)
  Bottom Layer w0.254: v1(110.664,65.495) v1(114.83,61.329)
"BS STOP FINAL PID": "R034 BSCLMP.2" IC_SS.1 Insuarance.6 U12.7 | length 150.3
  Top Layer w0.254: v1(48.688,32.068) 48.688,30.81 U12.7@49.562,30.81 ; 60.45,26.5 60.45,26.85 60.848,27.248 61.364,27.248 v1(61.383,27.268) ; Insuarance.6@84.27,17.54 86.382,17.54 87.982,19.14 87.982,19.77 v1(88.033,19.821) ; v1(110.22,41.377) 110.512,41.377 110.905,41.77 ; IC_SS.1@110.905,42.712 110.905,41.77 ; v1(111.299,40.298) 110.905,40.692 110.905,41.77
  Bottom Layer w0.254: v1(48.688,32.068) 49.831,33.211 102.054,33.211 ; v1(61.383,27.268) 61.463,27.268 61.905,27.71 62.084,27.71 65.935,31.56 100.403,31.56 ; v1(88.033,19.821) 88.084,19.872 88.714,19.872 100.403,31.56 ; v1(110.22,41.377) 102.054,33.211 ; v1(111.299,40.298) 111.299,39.79 104.721,33.211 102.054,33.211 ; 100.403,31.56 102.054,33.211
"DIS ERROR": R47ID.3 R80PIDID.1 R83PIDPD.1 R108PIDDD.1 U6ID.14 | length 146.7
  Top Layer w0.254: U6ID.14@-44.81,52.562 -44.81,64.73 R47ID.3@-44.04,65.5 ; v1(37.05,75.299) R108PIDDD.1@37.05,74 37.05,72.124 38.242,70.932 38.242,62.758 v1(39.5,61.5) ; R83PIDPD.1@37.55,52 37.55,53.213 40.129,55.792 50.034,55.792 51.05,56.808 R80PIDID.1@51.05,59 v1(51.05,60.593)
  Bottom Layer w0.254: R47ID.3@-44.04,65.5 -42.993,64.453 -6.963,64.453 4.671,76.087 9.559,76.087 10.016,75.63 20.42,75.63 20.751,75.299 v1(37.05,75.299) ; v1(39.5,61.5) 40.407,60.593 v1(51.05,60.593)
GND: 5V_Buck.4 "-3.5V LDO Adj.1" "R09 SUBST.1" "R021 BASECLMP.2" "U2 PID PA.12" "U8 PWM.5" "U8 PWM.10" "U8 PWM.12" "U9 PWM.3" "U9 PWM.5" "U9 PWM.10" "U9 PWM.12" "U10 PWM.3" "U10 PWM.10" "U11 SS.10" "U11 SS.12" +3.5V_LDO.2 +3.5V_LDO.4 +3.7_Connector_Battery.2 -3.7_Connector_Battery.2 C1_LDO_-3.5.1 C2_LDO_-3.5.1 C2in_Buck.1 C3_LDO_+3.5.1 C3out_Buck.1 C3V2_LDO_+3.5.2 C4out_Buck.1 C_Motor_Logic.1 C_Motor_Supply2(100uF).1 C_Motor_Supply.1 C_U1+.1 C_U1-.1 C_U2+.1 C_U2-.1 C_U3+.1 C_U3-.1 C_U4+.1 C_U4-.1 C_U5+.1 C_U5-.1 C_U6+.1 C_U6-.1 C_U7+.1 C_U7-.1 C_U8+.1 C_U8-.1 C_U9+.1 C_U9-.1 C_U10+.1 C_U10-.1 C_U11+.1 C_U11-.1 C_U12+.1 C_U12-.1 D1.2 D2.2 D5.2 D6.2 IC_L298N.7 IC_L298N.8 IC_L298N.12 IC_SS.4 J1_Sharp_L.3 J2_Sharp_R.3 J3_Sharp_F.3 pad.2 pad.3 pad.4 pad.5 pad.6 pad.8 pad.9 pad.10 pad.11 pad.12 pad.13 pad.14 R2_LDO_100K.2 R5PIDDW.1 R6PIDIW.1 R9PIDPW.1 R15PIDPW.2 R16PIDIW.2 R18PIDDW.1 R27PIDPD.2 R28PIDID.2 R31PIDDD.2 R40IW.2 R82PIDID.1 R85PIDPD.1 R109PIDDD.1 R121ID.2 R128SS.3 R129SS.3 R131SS.1 R_Motor_sensorA.1 R_Motor_sensorB.2 U7PWM.2 U7PWM.5 U7PWM.10 U12.3 U12.5 U12.12 | length 415.7
  Top Layer w0.254: v1(-43,34.5) C_U6+.1@-43,36.6 C_U6+.1@-42.9,36.5 ; v1(-40.5,69) -41.5,68 -41.5,67.5 -40.5,66.5 -40.5,62.5 -38.142,60.142 -38.142,58.042 C_U6-.1@-38.1,58 ; v1(-38.5,34.5) -38.434,34.566 -38.434,34.816 -36.25,37 -36,37 ; v1(-36.874,69.372) -35.5,70.746 J3_Sharp_F.3@-35.5,72.5 ; R5PIDDW.1@-23,80.5 -22.602,80.102 -22.602,79.102 v1(-22,78.5) ; v1(-20,55.5) R9PIDPW.1@-20,58 ; v1(-17,75.5) -17,74.6 C_U1+.1@-14.5,72.1 ; v1(-15.5,55.5) -12.783,58.217 -11.283,58.217 C_U2+.1@-11,58.5 ; C_U1-.1@1,72.1 1.4,72.1 2.705,70.795 5.212,70.795 6.417,72 R6PIDIW.1@7.45,72 7.848,71.602 7.848,70.246 8.104,69.99 v1(8.104,69.896) ; v1(5.5,67) 7,65.5 C_U2-.1@7,63.9 ; R18PIDDW.1@11.5,72 v1(11.5,73.5) ; v1(13.765,79.85) 13.765,79.026 14.5,78.291 R16PIDIW.2@14.5,77 v1(14.5,74) ; v1(17,79.5) 17.025,79.475 17.975,79.475 +3.5V_LDO.4@18,79.5 ; C3_LDO_+3.5.1@18,82 18,79.623 18.173,79.45 +3.5V_LDO.4@18.25,79.45 ; v1(36,39.5) R85PIDPD.1@37.5,39.5 37.5,38.094 38,37.594 v1(38,37.5) ; v1(37,46) 37,46.094 37.217,46.311 37.217,47.717 C_U4+.1@37.5,48 ; v1(37,61) R109PIDDD.1@37,63 ; C_U12-.1@37.5,26.6 37.9,26.6 38.934,27.634 38.934,27.934 v1(39,28) ; v1(42,59.5) R31PIDDD.2@44,59.5 ; U12.12@42.438,25.73 42.834,26.126 v1(44.514,26.126) ; v1(47,26) 49,26 U12.3@49.5,25.5 ; U12.5@49.562,28.27 51.77,28.27 52.5,29 52.5,31 51,32.5 51,38.625 R27PIDPD.2@51.437,39.062 ; R27PIDPD.2@51.5,39 51.625,39 51.898,38.727 51.898,38.372 52.176,38.094 v1(52.176,38) ; C_U7+.1@54.5,94.6 54.9,94.6 55.283,94.217 55.283,93.56 v1(55.843,93) ; v1(57,62) 57.066,61.934 57.066,61.834 58.55,60.35 R82PIDID.1@58.55,60 ; v1(57.63,97.206) 59.294,97.206 U7PWM.5@59.5,97 ; v1(58,101) 59.898,101 U7PWM.2@59.938,101.04 ; v1(59.561,36.914) 60.4,36.074 60.4,35 61,35 v1(61.5,35.5) ; v1(60.5,67) 61.217,67.717 61.217,68.717 61.5,69 62.5,69 v1(64,70.5) ; C_U4-.1@61.5,48 61.5,47.5 63,46 v1(63,42.5) ; v1(65,98) 65.77,97.23 U7PWM.10@67.062,97.23 67.624,97.23 68.019,96.836 68.113,96.836 v1(68.179,96.77) ; v1(67.5,72) 68.317,72 69.805,73.488 69.805,77.32 68,79.125 R28PIDID.2@68,79.5 v1(69.5,79.5) ; v1(69.883,96.883) 70.5,97.5 C_U7-.1@71,97.5 ; C_U7-.1@71,97.6 71.4,98 v1(72.5,98) ; v1(72.5,77.5) 74.6,75.4 C_U9+.1@77.5,75.4 ; v1(76.936,97.321) 76.936,94.264 78.7,92.5 C_U8+.1@79,92.5 ; v1(77.928,74.572) 77.928,75.072 77.55,75.45 77.883,75.783 80.217,75.783 ; v1(79,77) 80.217,75.783 ; C_U8+.1@79,92.6 79.357,92.957 v1(80.43,92.957) ; v1(79.518,72.982) 79.584,73.049 81.257,73.049 81.438,73.23 ; v1(80.5,13) 80.5,10.5 pad.4@83.5,7.5 ; 81.438,75.77 80.23,75.77 80.217,75.783 ; v1(81.5,17.5) 81.52,17.52 81.52,23.98 R129SS.3@81.5,24 ; v1(82,94) 84,94 ; 83.938,94.23 85.23,94.23 v1(85.5,94.5) ; 88.562,73.23 89.782,73.23 v1(90.066,72.946) ; 88.562,75.77 92.73,75.77 93,75.5 92.7,75.5 92.217,75.017 91.517,75.017 v1(91,74.5) ; v1(89.5,94.5) 90.5,94.5 91,94 ; 93.124,39.23 96.47,39.23 C_U11-.1@97.6,38.1 ; 93.124,41.77 93.687,41.77 94.367,42.45 94.367,51.217 94.65,51.5 95.5,51.5 95.783,51.217 95.783,42.717 v1(96.5,42) ; v1(95.5,38.5) 95.9,38.1 C_U11-.1@97.6,38.1 ; v1(100.5,38.5) 100.406,38.5 100.006,38.1 C_U11-.1@98,38.1 C_U11-.1@97.6,38.1 ; v1(105.5,41.5) 106.077,42.077 106.897,42.077 107,42.18 IC_SS.4@107,43 ; v1(107,68.5) 107.066,68.566 107.313,68.566 108.04,69.293 108.04,70.01 108,70.05 ; 108.624,55.54 110.149,55.54 v1(111.054,56.446)
  Bottom Layer w0.254: pad.2@-44,100 -41.5,100 -38.5,97 J2_Sharp_R.3@-36.4,97 ; v1(-43,34.5) v1(-38.5,34.5) ; v1(-40.5,69) -38.5,69 -38.128,69.372 v1(-36.874,69.372) ; v1(-22,78.5) -20,78.5 v1(-17,75.5) ; v1(-20,55.5) v1(-15.5,55.5) ; v1(5.5,67) 8.038,69.538 8.038,69.962 v1@8,70 ; v1(8.104,69.896) 8.104,75.104 8.63,75.63 9.37,75.63 v1(11.5,73.5) 13.906,73.5 14.406,74 v1(14.5,74) ; v1(13.765,79.85) 16.556,79.85 16.906,79.5 v1(17,79.5) ; v1(36,39.5) 36,45 v1(37,46) ; v1(37,61) 38.5,59.5 v1(42,59.5) ; v1(38,37.5) 38.066,37.434 38.566,37.434 39,37 v1(39,28) ; v1(44.514,26.126) 44.639,26 v1(47,26) ; v1(52.176,38) 52.243,37.934 52.566,37.934 53,37.5 58.974,37.5 v1(59.561,36.914) ; v1(55.843,93) 55.843,96.343 58,98.5 ; v1(57,62) 60.5,65.5 v1(60.5,67) ; v1(57.63,97.206) 58.425,98 58.5,98 ; v1(58,101) 58,98.5 ; v1(61.5,35.5) 63,37 v1(63,42.5) ; v1(64,70.5) 66,70.5 v1(67.5,72) ; v1(65,98) 58.5,98 ; v1(68.179,96.77) 68.236,96.826 69.826,96.826 v1(69.883,96.883) ; v1(69.5,79.5) 71,79.5 71.717,78.783 71.717,78.283 v1(72.5,77.5) ; v1(72.5,98) 76.5,98 76.952,97.548 76.952,97.337 v1(76.936,97.321) ; v1(77.928,74.572) v1(79.518,72.982) ; v1(79,77) 89.87,77 v1(91,75.87) ; v1(80.43,92.957) 80.481,93.008 81.238,93.008 81.934,93.704 81.934,93.934 v1(82,94) ; v1(80.5,13) 81.5,14 v1(81.5,17.5) ; R129SS.3@81.54,24 87.04,29.5 R131SS.1@89,29.5 ; v1(85.5,94.5) 85.533,94.533 85.922,94.533 87.149,95.76 88.218,95.76 89.478,94.5 v1(89.5,94.5) ; v1(90.066,72.946) 90.939,73.819 90.939,74.439 v1(91,74.5) ; v1(95.5,38.5) 95.5,41 v1(96.5,42) ; v1(100.5,38.5) 103.5,41.5 v1(105.5,41.5) ; v1(107,68.5) 107,64.047 111,60.047 111,56.5 v1(111.054,56.446) ; 58,98.5 58.5,98
"L WHEEL OP": "U10 PWM.1" IC_L298N.5 R26PWMCL.2 | length 129.4
  Top Layer w0.254: v1(93.874,62.193) 94.102,62.193 94.5,61.795 R26PWMCL.2@94.5,61.5 95.38,60.62 101.5,60.62
  Bottom Layer w0.254: IC_L298N.5@-13.31,28.97 -11.609,30.671 12.318,30.671 27.38,45.734 35.252,45.734 36.7,47.181 48.206,47.181 54.835,53.811 72.945,53.811 78.457,59.323 90.649,59.323 93.1,61.774 93.361,61.774 93.78,62.193 v1(93.874,62.193)
Net5V_Buck_5: 5V_Buck.5 C1_5V_Buck.1 L1_Buck.2 | length 10.7
  Top Layer w0.254: 5V_Buck.5@66.8,12.5 68.871,12.5 69.9,13.529 C1_5V_Buck.1@69.9,15.5 72.361,15.5 72.511,15.35 L1_Buck.2@75,15.35
Net5V_Buck_6: 5V_Buck.6 C1_5V_Buck.2 | length 2.2
  Top Layer w0.254: 5V_Buck.6@66.8,13.45 67.1,13.75 C1_5V_Buck.2@67.1,15.5
"Net-3.5V LDO Adj_4": "-3.5V LDO Adj.4" C1_LDO_-3.5.2 R1_LDO_180K.1 R2_LDO_100K.1 | length 17
  Top Layer w0.254: C1_LDO_-3.5.2@24.9,31.925 24.9,30.838 25.803,29.935 25.803,28.028 24.75,26.975 25.727,26.975 27.302,28.55 R1_LDO_180K.1@30.5,28.55 30.5,26.472 31,25.972 R2_LDO_100K.1@31,23.925
NetC1PIDDW_1: C1PIDDW.1 R1PIDDW.2 | length 18.3
  Top Layer w0.254: C1PIDDW.1@-30.4,89.5 -30.4,92.368 -28.927,93.841 -21.523,93.841 -20.05,92.368 R1PIDDW.2@-20.05,88.5
NetC3PIDDD_1: C3PIDDD.1 R108PIDDD.2 | length 5.2
  Top Layer w0.254: R108PIDDD.2@39.95,74 39.95,75.401 41.6,77.051 C3PIDDD.1@41.6,78.5
NetIC_L298N_1: IC_L298N.1 R_Motor_sensorA.2 | length 11.7
  Top Layer w0.254: v1(-25,22) -24.518,21.518 -23.898,21.518 -23.5,21.12 R_Motor_sensorA.2@-23.5,21
  Bottom Layer w0.254: v1(-25,22) -24.934,22.066 -24.934,22.426 IC_L298N.1@-18.39,28.97
NetIC_L298N_15: IC_L298N.15 R_Motor_sensorB.1 | length 20.2
  Top Layer w0.254: R_Motor_sensorB.1@-14.5,21 -14.5,22.569 -14.079,22.99 v1(-14.079,23.084)
  Bottom Layer w0.254: v1(-14.079,23.084) -9.503,27.66 -9.503,29.528 -8.868,30.163 -1.803,30.163 IC_L298N.15@-0.61,28.97